# Altium PCB board.PcbDoc
Units mm, origin at the board's own origin, x right, y up, seen from the top; angles counter-clockwise.
Board outline 30 x 66 mm, 2 copper layers (Top Layer, Bottom Layer), stack 1.57 mm thick; 50 components, 21 nets, 196 pads, 51 vias.
Unrouted connection lines stored in the file: 2.
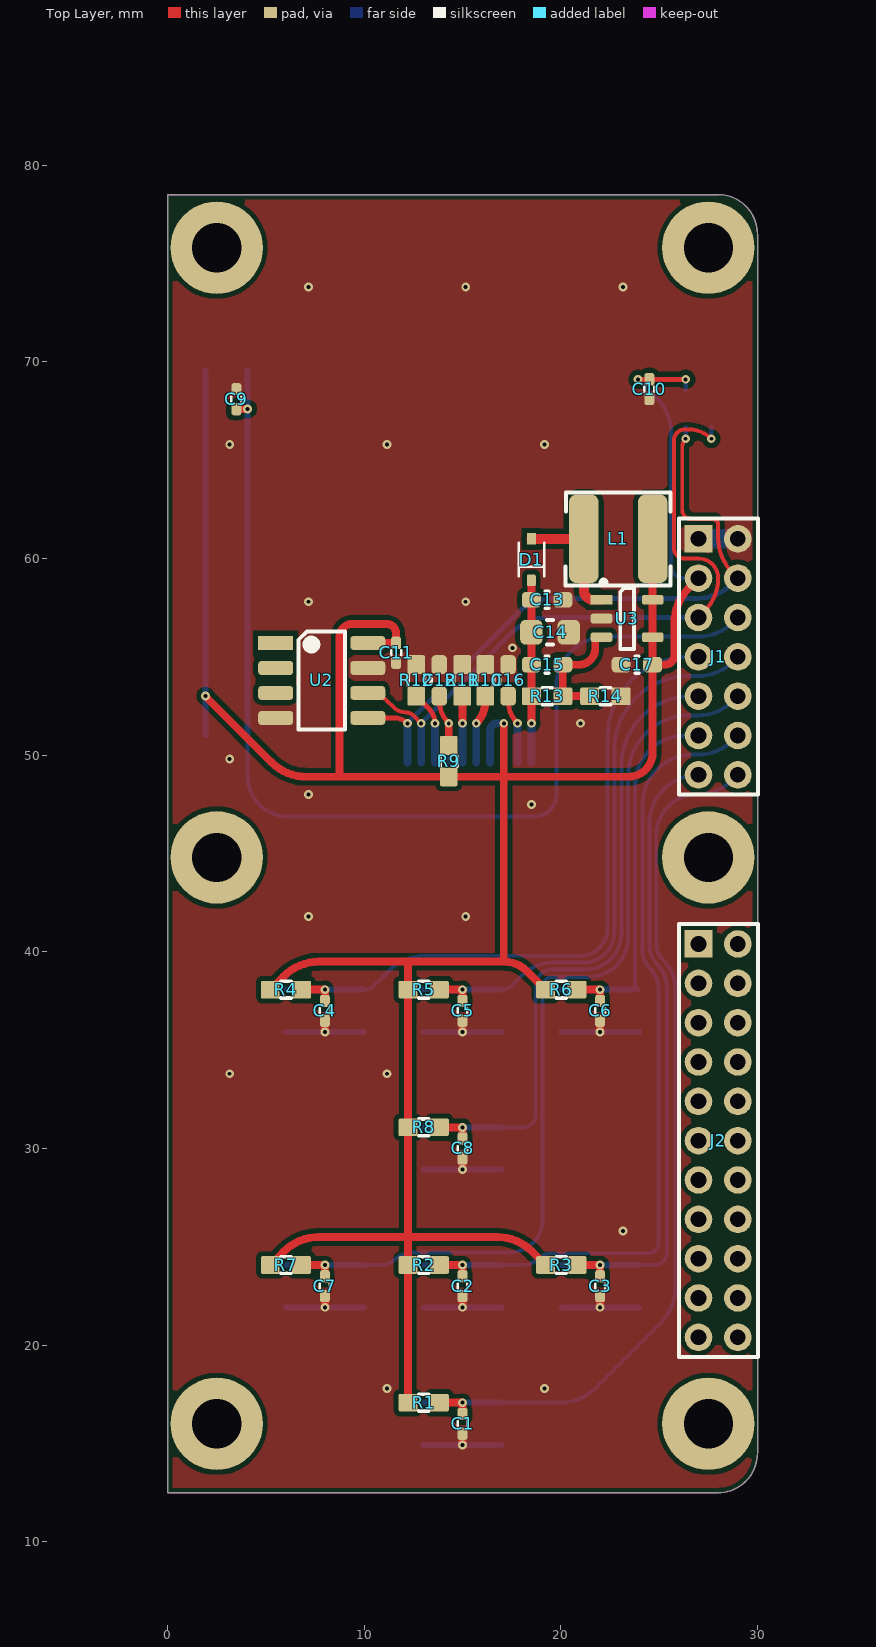
[diagram p0: Top Layer view]
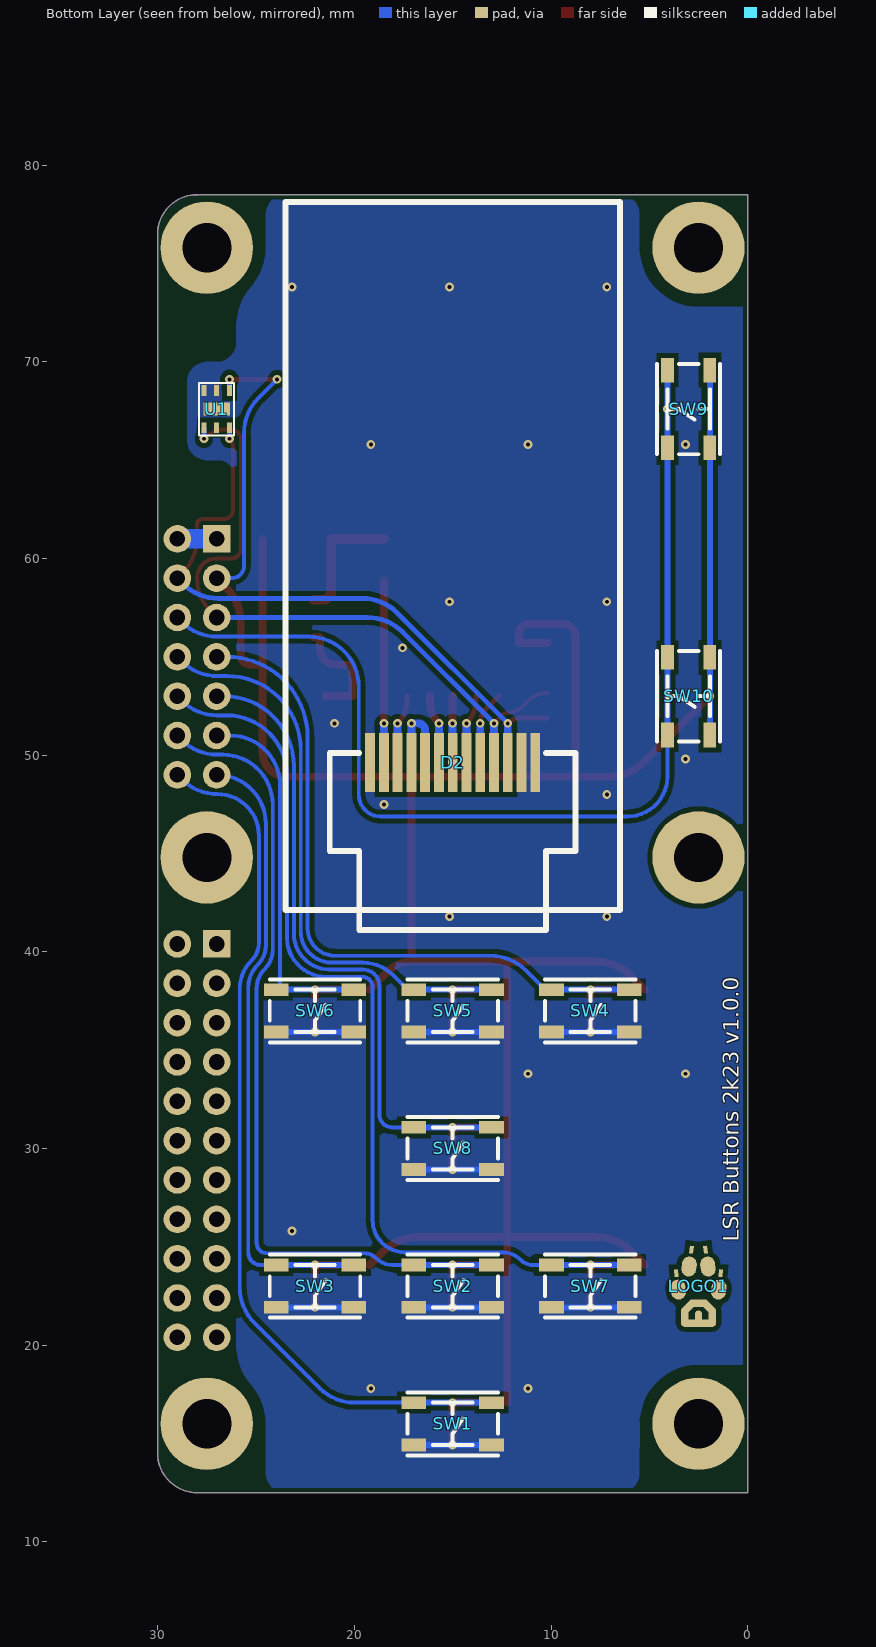
[diagram p1: Bottom Layer view, seen from below]
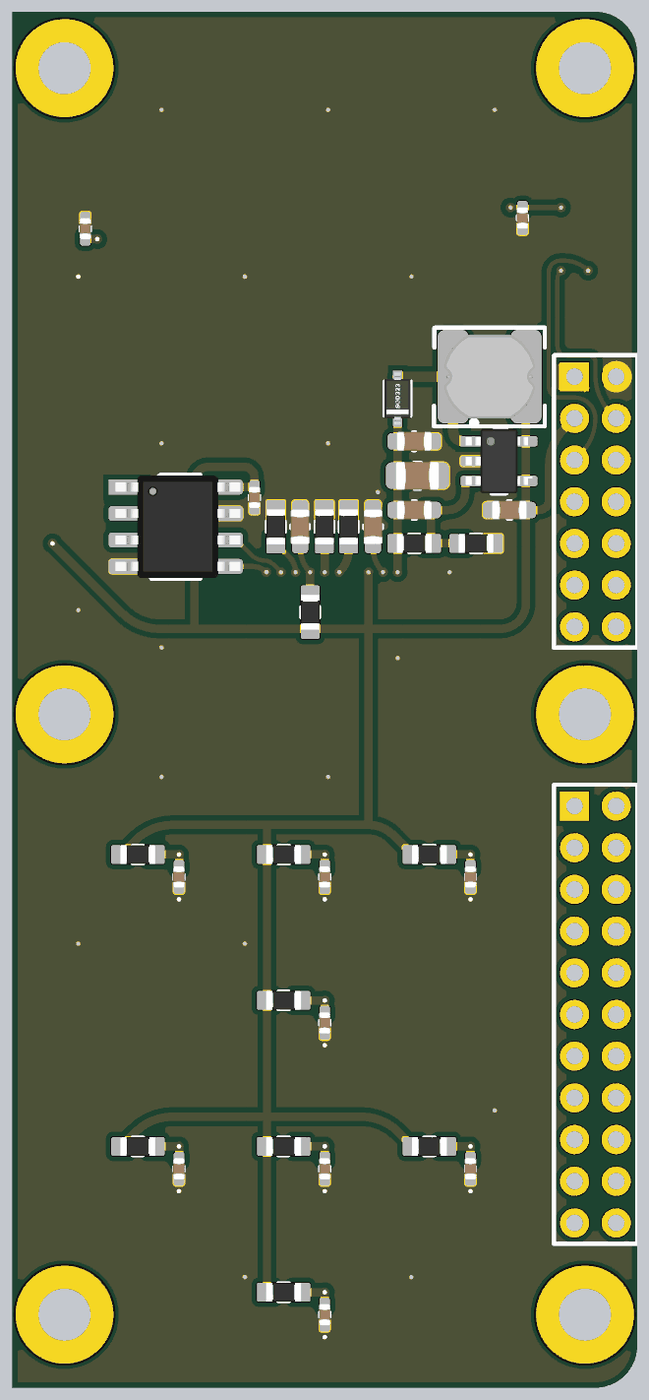
[diagram p2: 3D render of the assembled board from above, using the file's embedded part models]
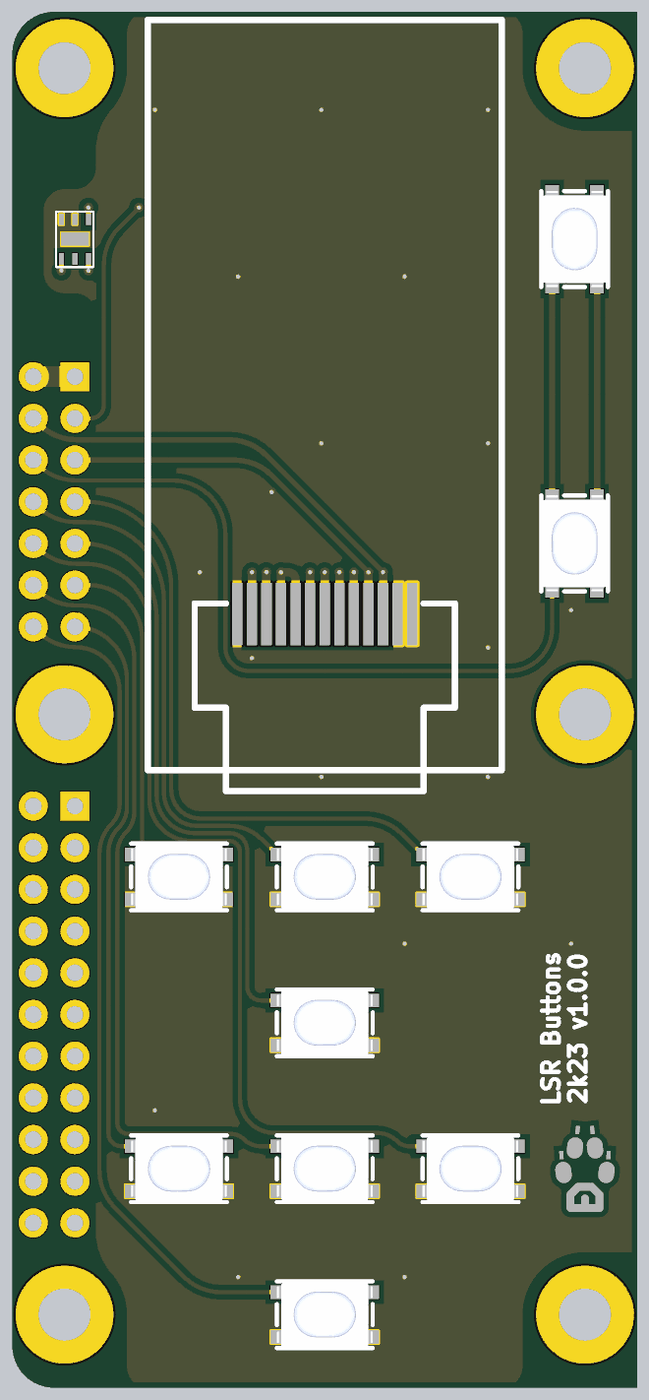
[diagram p3: 3D render of the assembled board from below, using the file's embedded part models]

## Layer stack, top to bottom
Top Solder: solder mask 0.0127, Solder Resist, Dk 3.8
Top Layer: signal copper 0.035
Dielectric: core 1.5, FR-4, Dk 4.5
Bottom Layer: signal copper 0.035
Bottom Solder: solder mask 0.0127, Solder Resist, Dk 3.8

## Board outline
0,12.5 28,12.5 ccw(c28,14.5) 30,14.5 30,76.5 ccw(c28,76.5) 28,78.5 0,78.5

## Design rules (kind name [scope] priority, off if disabled: settings)
AcuteAngle [All] p1: minimum=6.00000000000000E+0001 checktracksonly=FALSE
Clearance Clearance_1 [All] p1: gap=0.25 ignorepadtopadclearanceinfootprint=FALSE except(0.13: Arc-Arc Arc-Track Arc-SMDPad Arc-Via Track-Track Track-SMDPad Track-Via SMDPad-SMDPad SMDPad-Via THPad-Via Via-Via; 0.15: Arc-THPad Arc-Text Arc-Hole Track-THPad Track-Text Track-Hole SMDPad-THPad SMDPad-Text SMDPad-Hole THPad-THPad THPad-Text THPad-Hole Via-Text Via-Hole Fill-Text Fill-Hole Poly-Text Poly-Hole Region-Text Region-Hole Text-Text Text-Hole)
ComponentClearance ComponentClearance_1 [OnLayer('Mechanical 15') vs HasFootprint('CONN_FPC_31P-P0.50_0.5K-AS-31PWB') or HasFootprint('HDR-1X10_2.54')] p1: gap=-1 collisioncheckmode=3 verticalgap=2540 showdistances=FALSE
ComponentClearance ComponentClearance_2 [OnLayer('Mechanical 15')] p2: gap=0.001 collisioncheckmode=3 verticalgap=0.001 showdistances=FALSE
ComponentClearance [All] p3: gap=0.2 collisioncheckmode=3 verticalgap=0.2 showdistances=FALSE
Height [All] p1: minheight=0 maxheight=500 prefheight=12.7
HoleSize [All] p1: absolutevalues=TRUE maxlimit=6 minlimit=0.2 maxpercent=80.000 minpercent=20.000
HoleToHoleClearance HoleToHoleClearance_1 [IsVia vs IsThruPin] p1: gap=0.7 allowstackedmicrovias=TRUE
HoleToHoleClearance [All] p2: gap=0.5 allowstackedmicrovias=TRUE
MinimumSolderMaskSliver [All] p1 off: minsoldermaskwidth=0.254
PlaneClearance [All] p1: clearance=0.45
PlaneConnect [All] p1: planeconnectstyle=Direct reliefexpansion=0.3 reliefentries=4 reliefconductorwidth=0.381 reliefairgap=0.178
PolygonConnect [All] p1: connectstyle=Direct reliefconductorwidth=0.381 reliefentries=4 polygonreliefangle="90 Angle" airgapwidth=0.356
RoutingVias [All] p1: holewidth=0.3 width=0.6 viastyle="Through Hole" minholewidth=0.2 minwidth=0.45 maxholewidth=0.9 maxwidth=1.27
SilkToSilkClearance [All] p1 off: silktosilkclearance=0.254
SilkToSolderMaskClearance [IsPad] p1 off: minsilkscreentomaskgap=0.254 clearancetoexposedcopper=TRUE
SolderMaskExpansion [All] p1: expansion=0.102 istentingtop=FALSE
UnRoutedNet [All] p1: checkbadconnections=TRUE
Width [All] p1: maxlimit=3.81 minlimit=0.14 preferedwidth=0.254
20 further rules are at their usual default settings.

## Components (designator, comment, footprint, x,y, rotation, side; value= is the part's Value field where it differs from the comment)
C1 "100n" C0402 15,16 r90 top
C2 "100n" C0402 15,23 r90 top
C3 "100n" C0402 22,23 r90 top
C4 "100n" C0402 8,37 r90 top
C5 "100n" C0402 15,37 r90 top
C6 "100n" C0402 22,37 r90 top
C7 "100n" C0402 8,23 r90 top
C8 "100n" C0402 15,30 r90 top
C9 "100n" C0402 3.499,68.1 r270 top
C10 "100n" C0402 24.5,68.612 r90 top
C11 "100n" C0402 11.625,55.205 r90 top
C12 "1u" C0603 13.818,53.8 r270 top
C13 "100n" C0603 19.3,57.898 r0 top
C14 "4u7" C0805 19.452,56.25 r0 top
C15 "22p" C0603 19.3,54.6 r0 top
C16 "2u2" C0603 17.32,53.8 r90 top
C17 "100n" C0603 23.87,54.6 r180 top
D1 "" SOD-323 18.5,59.945 r90 top
D2 "ER-OLED-0.96-7" pico_oled_1.3 15,49.62 r270 bottom
J1 "" HDR-2X7-P2.00 28,55 r0 top
J2 "" HDR-2X11-P2.00 28,30.4 r0 top
L1 "10UH" IND_SDE0403A_4X4MM 22.92,61 r180 top
LOGO1 "LOGO" LOGO 2.5,21.121 r180 bottom
R1 "10k" R0603 13.025,17.076 r180 top
R2 "10k" R0603 13.025,24.076 r180 top
R3 "10k" R0603 20.025,24.076 r180 top
R4 "10k" R0603 6.025,38.076 r180 top
R5 "10k" R0603 13.025,38.076 r180 top
R6 "10k" R0603 20.025,38.076 r180 top
R7 "10k" R0603 6.025,24.076 r180 top
R8 "10k" R0603 13.025,31.076 r180 top
R9 "10k" R0603 14.3,49.7 r270 top
R10 "560k" R0603 16.153,53.8 r270 top
R11 "10k" R0603 14.985,53.8 r270 top
R12 "10k" R0603 12.65,53.8 r270 top
R13 "1M2" R0603 19.3,53 r180 top
R14 "180k" R0603 22.27,53 r180 top
SW1 "PTS810SJS250" BTN_PTS810 15,16 r180 bottom
SW2 "PTS810SJS250" BTN_PTS810 15,23 r180 bottom
SW3 "PTS810SJS250" BTN_PTS810 22,23 r180 bottom
SW4 "PTS810SJS250" BTN_PTS810 8,37 r180 bottom
SW5 "PTS810SJS250" BTN_PTS810 15,37 r180 bottom
SW6 "PTS810SJS250" BTN_PTS810 22,37 r180 bottom
SW7 "PTS810SJS250" BTN_PTS810 8,23 r180 bottom
SW8 "PTS810SJS250" BTN_PTS810 15,30 r180 bottom
SW9 "PTS810SJS250" BTN_PTS810 3,67.6 r270 bottom
SW10 "PTS810SJS250" BTN_PTS810 3,53 r270 bottom
U1 "OPT3001DNPR" USON6_L2.1-W2.1-P0.65-BL-EP 27,67.6 r0 bottom
U2 "FM24CL16" SOIC-8 7.842,53.8 r270 top
U3 "TPS61040" SOT-23-5 23.37,56.948 r180 top

## Footprints (in the part's own frame and the unit in brackets; to place one, negate y for a bottom-side part, rotate by r counter-clockwise, add the part's x,y. Pads: shape width x height; smd on the part's side, far side on the other; paste and mask are expansions set on the pad)
BTN_PTS810 [mm]
  rect 1.25x0.65 smd mask+0.05: 1(-1.975,1.075) 2(1.975,1.075) 3(-1.975,-1.075) 4(1.975,-1.075)
  silkscreen extent -2.3,-1.6 2.3,1.6, body extent -2.3,-1.6 2.3,1.6, height 2.5
C0402 [mm] "Chip Capacitor Body"
  rrect50% 0.635x0.508 smd mask+0.05: 1(-0.5,0) 2(0.5,0)
  silkscreen extent -0.13,-0.25 0.13,0.25, body extent -0.52,-0.27 0.53,0.28, height 0.55
C0603 [mil] "Chip Capacitor"
  rrect50% 38x31 smd mask+1.97: 1(-31.5,0) 2(31.5,0)
  silkscreen extent -3,-17 3,17, body extent -33,-18 33,18, height 35
C0805 [mil] "Chip Capacitor"
  rrect50% 45x50 smd mask+1.97: 1(-37.5,0) 2(37.5,0)
  silkscreen extent -6,-25 6,25, body extent -41,-27 41,27, height 53
HDR-2X7-P2.00 [mm]
  rect 1.4x1.4 hole 0.8 paste-2539.97 mask+0.051: 1(-1,6)
  round 1.4 hole 0.8 paste-2539.97 mask+0.051: 2(1,6) 3(-1,4) 4(1,4) 5(-1,2) 6(1,2) 7(-1,0) 8(1,0) 9(-1,-2) 10(1,-2) 11(-1,-4) 12(1,-4) 13(-1,-6) 14(1,-6)
  silkscreen extent -1.99,-7 2.02,7.03, body extent -2,-7 2,7, height 5.9
HDR-2X11-P2.00 [mm]
  rect 1.4x1.4 hole 0.8 paste-2539.97 mask+0.051: 1(-1,10)
  round 1.4 hole 0.8 paste-2539.97 mask+0.051: 2(1,10) 3(-1,8) 4(1,8) 5(-1,6) 6(1,6) 7(-1,4) 8(1,4) 9(-1,2) 10(1,2) 11(-1,0) 12(1,0) 13(-1,-2) 14(1,-2) 15(-1,-4) 16(1,-4) 17(-1,-6) 18(1,-6) 19(-1,-8) 20(1,-8) 21(-1,-10) 22(1,-10)
  silkscreen extent -1.99,-11 2.02,11.03, body extent -2,-11 2,11, height 5.9
IND_SDE0403A_4X4MM [mm] "Inductor, 2-Leads, Body 7,0x7,4mm, IPC High Density"
  rrect50% 1.5x4.5 smd mask+0.05: 1(-1.75,0) 2(1.75,0)
  silkscreen extent -2.65,-2.35 2.68,2.37, body extent -2.18,-2 2.18,2, height 3.2
LOGO [mil]
  rect 15.75x7.87 smd rot 93 mask+4: ""(-44.55,100)
  oval 30x40 smd rot 8 mask+4: ""(-40.55,67)
  oval 15x39.5 smd mask+4: ""(-27.5,12.5) ""(27.5,12.5)
  oval 15x36.21 smd rot 135 mask+4: ""(-20,32.5)
  oval 30x40 smd rot 173 mask+4: ""(-18.99,113.27)
  rect 15.75x7.87 smd rot 83 mask+4: ""(-13.91,147.15)
  oval 70x15 smd mask+4: ""(0,0)
  oval 15x32.5 smd mask+4: ""(0,9)
  oval 39.5x15 smd mask+4: ""(0,40)
  rect 15.75x7.87 smd rot 97 mask+4: ""(13.91,147.15)
  oval 30x40 smd rot 7 mask+4: ""(18.99,113.27)
  oval 15x36.21 smd rot 45 mask+4: ""(20,32.5)
  oval 30x40 smd rot 172 mask+4: ""(40.55,67)
  rect 15.75x7.87 smd rot 87 mask+4: ""(44.55,100)
pico_oled_1.3 [mm]
  rect 3x0.5 smd: 1(0,-4.2) 2(0,-3.5) 3(0,-2.8) 4(0,-2.1) 5(0,-1.4) 6(0,-0.7) 7(0,0) 8(0,0.7) 9(0,1.4) 10(0,2.1) 11(0,2.8) 12(0,3.5) 13(0,4.2)
  silkscreen extent -28.5,-8.5 8.5,8.5, body extent -28.5,-8.5 8.5,8.5, height 2
R0603 [mil] "Chip Resistor; Body 1.6 x 0.8 mm (LxW typ)"
  rrect20% 38x35.43 smd mask+1.97: 1(-31.5,0) 2(31.5,0)
  silkscreen extent -10,-17 10,17, body extent -33,-18 33,18, height 22
SOD-323 [mm]
  rect 0.59x0.45 smd mask+0.05: 1(1.055,0)
  rrect30% 0.59x0.45 smd mask+0.05: 2(-1.055,0)
  silkscreen extent -0.85,-0.65 0.85,0.65, body extent -1.25,-0.63 1.25,0.62, height 0.99
SOIC-8 [mm]
  rect 0.72x1.78 smd mask+0.025: 1(-1.905,-2.34)
  rrect50% 0.72x1.78 smd mask+0.025: 2(-0.635,-2.34) 3(0.635,-2.34) 4(1.905,-2.34) 5(1.905,2.34) 6(0.635,2.34) 7(-0.635,2.34) 8(-1.905,2.34)
  silkscreen extent -2.49,-1.17 2.49,1.17, body extent -2.45,-2.9 2.45,3.1, height 1.7
SOT-23-5 [mm]
  rect 1.1x0.5 smd mask+0.05: 1(1.3,-0.95)
  rrect50% 1.1x0.5 smd mask+0.05: 2(1.3,0) 3(1.3,0.95) 4(-1.3,0.95) 5(-1.3,-0.95)
  silkscreen extent -0.35,-1.95 1.32,1.55, body extent -1.6,-1.55 1.6,1.55, height 1.45
USON6_L2.1-W2.1-P0.65-BL-EP [mm]
  rect 0.25x0.55 smd paste+0 mask+0.051: 1(-0.65,-0.95) 2(0,-0.95) 3(0.65,-0.95) 4(0.65,0.95) 5(0,0.95) 6(-0.65,0.95)
  rect 1.35x0.65 smd paste+0 mask+0.051: 7(0,0)
  silkscreen extent -0.89,-1.31 0.91,1.34, body extent -1,-1 1,1, height 0.65

## Part data
C1 C2 C3 C4 C5 C6 C7 C8 C9 C10 C11 C12: library part Cap
C13 C14 C15 C16 C17: library part CAP
D1: library part US1M-13-F
D2: library part Component_1
J1: library part "HDR 2X7"
J2: library part "HDR 2X11"
L1: library part SRN3015-100M, "10uH 1A 2520"
R1 R2 R3 R4 R5 R6 R7 R8 R10 R13 R14: library part RES
R9 R11 R12: library part RES_0402_1K5-1%, "10k 0603"
SW1 SW2 SW3 SW4 SW5 SW6 SW7 SW8 SW9 SW10: library part Component_1, LCSC part number=C221896, P/N=PTS810SJK250SMTRLFS
U1: LCSC part number=C90462, P/N=OPT3001DNPR
U2: library part MB85RC16
U3: library part LM27313XMFX

## Free pads (board coordinates)
  round 4.7 hole 2.5: M(2.5,16) M(2.5,44.8) M(2.5,75.8) M(27.5,16) M(27.5,44.8) M(27.5,75.8)

## Via types
v1: diameter 0.45, hole 0.2, Top Layer to Bottom Layer, tented both sides, 51 vias

## Nets (pads, with @x,y where several pads share a name; then routed paths per layer and width w, separated by ;. In a path a pad name is that pad's centre, name@x,y a point inside that pad or via, vN(x,y) a via of type N, cw(c..) or ccw(c..) an arc to the next point about the centre after c; other vN are vias at no path point)
3V3: C10.2 C11.2 C17.1 D2.4 D2.5 J1.3 L1.1 R1.2 R2.2 R3.2 R4.2 R5.2 R6.2 R7.2 R8.2 R9.2 SW9.1 SW9.2 SW10.1 SW10.2 U1.1 U2.8 U3.4 U3.5 | length 156.6
  Top Layer w0.25: v1(23.925,69.112) C10.2 v1(26.35,69.112)
  Top Layer w0.4: v1(1.924,53) 5.281,49.644 ccw(c7.077,51.44) 7.077,48.9 8.75,48.9 ; R7.2 5.905,24.756 cw(c7.701,22.96) 7.701,25.5 16.748,25.5 cw(c16.748,22.96) 18.544,24.756 R3.2 ; R4.2 5.905,38.756 cw(c7.701,36.96) 7.701,39.5 12.225,39.5 ; U2.8 C11.2 11.625,56.19 ccw(c11.14,56.19) 11.14,56.675 9.4,56.675 ccw(c9.4,56.025) 8.75,56.025 8.75,48.9 ; R1.2 R2.2 R8.2 R5.2 12.225,39.5 ; v1(17.1,51.62) 17.1,48.9 ; R6.2 18.296,39.005 ccw(c17.1,37.809) 17.1,39.5 ; L1.1 U3.5 U3.4 C17.1 ; J1.3 26.519,58.519 ccw(c28.315,56.723) 25.775,56.723 25.775,55.1 cw(c25.275,55.1) 25.275,54.6 C17.1 ; 8.75,48.9 R9.2 17.1,48.9 ; 12.225,39.5 17.1,39.5 ; 17.1,39.5 17.1,48.9 ; 17.1,48.9 23.425,48.9 ccw(c23.425,50.145) 24.67,50.145 C17.1
  Bottom Layer w0.2: v1(23.925,69.112) 24.867,68.17 cw(c23.071,66.374) 25.611,66.374 25.611,59.622 ccw(c26.233,59.622) 26.233,59 J1.3
  Bottom Layer w0.25: U1.1@26.35,68.537 U1.1 v1(26.35,69.112)
  Bottom Layer w0.3: SW10.2 SW10.1 SW9.2 SW9.1
  Bottom Layer w0.4: D2.5 16.4,51.25 cw(c16.77,51.25) 16.77,51.62 v1(17.1,51.62) D2.4
BTN0: C1.2 J1.14 R1.1 SW1.1 SW1.2 | length 46.3
  Top Layer w0.4: R1.1 v1(15,17.076) C1.2
  Bottom Layer w0.2: SW1.1 19.973,17.075 ccw(c19.973,19.615) 21.769,17.819 25.081,21.131 ccw(c23.285,22.927) 25.825,22.927 25.825,38.128 ccw(c23.815,38.128) 25.236,39.549 cw(c26.169,40.482) 24.85,40.482 24.85,45.902 cw(c26.971,45.902) 26.971,48.024 ccw(c26.971,50.564) 28.767,48.767 J1.14
  Bottom Layer w0.3: SW1.2 SW1.1
BTN1: C2.2 J1.12 R2.1 SW2.1 SW2.2 | length 43.3
  Top Layer w0.4: R2.1 v1(15,24.076) C2.2
  Bottom Layer w0.2: SW2.1 18.062,24.075 ccw(c18.062,25.239) 18.885,24.416 cw(c19.51,23.79) 19.51,24.675 24.45,24.675 ccw(c24.45,25.191) 24.966,25.191 24.966,38.132 ccw(c23.55,38.132) 24.551,39.134 cw(c25.52,40.103) 24.15,40.103 24.15,47.484 cw(c26.69,47.484) 26.69,50.024 26.971,50.024 ccw(c26.971,52.564) 28.767,50.767 J1.12
  Bottom Layer w0.3: SW2.2 SW2.1
BTN2: C3.2 J1.13 R3.1 SW3.1 SW3.2 | length 33.4
  Top Layer w0.4: R3.1 v1(22,24.076) C3.2
  Bottom Layer w0.2: SW3.1 24.759,24.075 ccw(c24.759,24.712) 25.396,24.712 25.396,38.166 ccw(c23.708,38.166) 24.901,39.359 cw(c25.87,40.328) 24.5,40.328 24.5,46.5 cw(c27,46.5) J1.13
  Bottom Layer w0.3: SW3.2 SW3.1
BTN3: C4.2 J1.7 R4.1 SW4.1 SW4.2 | length 36.1
  Top Layer w0.4: R4.1 v1(8,38.076) C4.2
  Bottom Layer w0.2: SW4.1 ccw(c9.975,38.86) 10.53,38.305 11.281,39.056 cw(c13.077,37.26) 13.077,39.8 20.981,39.8 ccw(c20.981,41.194) 22.375,41.194 22.375,50.907 cw(c26.468,50.907) 26.468,55 J1.7
  Bottom Layer w0.3: SW4.2 SW4.1
BTN4: C5.2 J1.8 R5.1 SW5.1 SW5.2 | length 30.7
  Top Layer w0.4: R5.1 v1(15,38.076) C5.2
  Bottom Layer w0.2: SW5.1 ccw(c16.975,38.86) 17.53,38.305 18.039,38.814 cw(c19.575,37.277) 19.575,39.45 21.139,39.45 ccw(c21.139,41.036) 22.725,41.036 22.725,50.271 cw(c26.478,50.271) 26.478,54.023 26.971,54.023 ccw(c26.971,56.563) 28.767,54.767 J1.8
  Bottom Layer w0.3: SW5.2 SW5.1
BTN5: C6.2 J1.11 R6.1 SW6.1 SW6.2 | length 20.8
  Top Layer w0.4: R6.1 v1(22,38.076) C6.2
  Bottom Layer w0.2: SW6.1 23.775,38.075 23.775,48.46 cw(c26.315,48.46) 26.315,51 J1.11
  Bottom Layer w0.3: SW6.2 SW6.1@23.775,38.075
BTN6: C7.2 J1.10 R7.1 SW7.1 SW7.2 | length 49.4
  Top Layer w0.4: R7.1 v1(8,24.076) C7.2
  Bottom Layer w0.2: SW7.1 10.921,24.075 ccw(c10.921,24.929) 11.525,24.325 cw(c12.481,23.369) 12.481,24.721 17.423,24.721 ccw(c17.423,26.373) 19.075,26.373 19.075,38.225 cw(c19.575,38.225) 19.575,38.725 21.423,38.725 ccw(c21.423,40.727) 23.425,40.727 23.425,48.946 cw(c26.503,48.946) 26.503,52.023 26.971,52.023 ccw(c26.971,54.563) 28.767,52.767 J1.10
  Bottom Layer w0.3: SW7.2 SW7.1
BTN7: C8.2 J1.9 R8.1 SW8.1 SW8.2 | length 34.7
  Top Layer w0.4: R8.1 v1(15,31.076) C8.2
  Bottom Layer w0.2: SW8.1 18.075,31.075 ccw(c18.075,31.725) 18.725,31.725 18.725,38.275 cw(c19.55,38.275) 19.55,39.1 21.255,39.1 ccw(c21.255,40.92) 23.075,40.92 23.075,49.454 cw(c26.621,49.454) 26.621,53 J1.9
  Bottom Layer w0.3: SW8.2 SW8.1
EMCY_BTN: C9.2 J1.6 SW9.3 SW9.4 SW10.3 SW10.4 | length 55.2
  Top Layer w0.4: C9.2 v1(4.074,67.6)
  Bottom Layer w0.2: SW10.4 4.075,48.932 ccw(c6.127,48.932) 6.127,46.88 18.655,46.88 ccw(c18.655,48) 19.775,48 19.775,53.483 cw(c22.315,53.483) 22.315,56.023 26.971,56.023 ccw(c26.971,58.563) 28.767,56.767 J1.6
  Bottom Layer w0.3: SW10.4 SW10.3 SW9.4 SW9.3
GND: C1.1 C2.1 C3.1 C4.1 C5.1 C6.1 C7.1 C8.1 C9.1 C10.1 C11.1 C12.1 C13.2 C14.2 C16.2 C17.2 D2.1 D2.12 D2.13 J1.1 J1.2 R10.1 R11.1 R12.1 R14.1 SW1.3 SW1.4 SW2.3 SW2.4 SW3.3 SW3.4 SW4.3 SW4.4 SW5.3 SW5.4 SW6.3 SW6.4 SW7.3 SW7.4 SW8.3 SW8.4 U1.2 U1.3 U1.7 U2.4 U2.7 U3.2 | length 38.2
  Top Layer w0.4: v1(8,21.926) C7.1 ; v1(8,35.926) C4.1@8,36.501 ; v1(15,14.926) C1.1 ; v1(15,21.926) C2.1 ; v1(15,28.926) C8.1@15,29.501 ; v1(15,35.926) C5.1@15,36.501 ; v1(22,21.926) C3.1 ; v1(22,35.926) C6.1@22,36.501
  Bottom Layer w0.3: SW7.4 SW7.3 ; SW4.4 SW4.3 ; SW1.4 SW1.3 ; SW2.4 SW2.3 ; SW8.4 SW8.3 ; SW5.4 SW5.3 ; SW3.4 SW3.3 ; SW6.4 SW6.3
  Bottom Layer w1: J1.1 J1.2
  other v1: 11.162,17.801 19.162,17.801 23.162,25.801 3.162,33.801 11.162,33.801 7.162,41.801 15.162,41.801 18.5,47.5 7.162,48 3.162,49.801 21,51.62 17.551,55.46 7.162,57.801 15.162,57.801 3.162,65.801 11.162,65.801 19.162,65.801 7.162,73.801 15.162,73.801 23.162,73.801
NetC12_2: C12.2 D2.8 R9.1 | length 4.6
  Top Layer w0.25: C12.2 13.818,52.785 ccw(c15.465,52.785) v1(14.3,51.62)
  Top Layer w0.4: R9.1 v1(14.3,51.62)
  Bottom Layer w0.4: D2.8 v1(14.3,51.62)
NetC15_2: C15.2 R13.1 R14.2 U3.3 | length 6
  Top Layer w0.4: R14.2 R13.1 C15.2 20.925,54.6 ccw(c20.925,55.425) 21.75,55.425 21.75,55.998 U3.3
NetC16_1: C16.1 D2.3 | length 3.5
  Top Layer w0.25: C16.1 17.32,52.779 ccw(c18.959,52.779) v1(17.8,51.62)
  Bottom Layer w0.4: D2.3 v1(17.8,51.62)
NetD1_1: D1.1 L1.2 U3.1 | length 6.5
  Top Layer w0.5: D1.1 L1.2 21.17,58.373 ccw(c21.645,58.373) 21.645,57.898 U3.1
NetD2_6: D2.6 R10.2 | length 3.5
  Top Layer w0.4: v1(15.7,51.62) ccw(c14.607,52.713) 16.153,52.713 R10.2
  Bottom Layer w0.4: D2.6 v1(15.7,51.62)
NetD2_7: D2.7 R11.2 | length 3.4
  Top Layer w0.4: R11.2 cw(c14.949,52.964) 15,52.964 v1(15,51.62)
  Bottom Layer w0.4: D2.7 v1(15,51.62)
NetD2_9: D2.9 R12.2 | length 3.7
  Top Layer w0.25: R12.2 13.296,52.354 cw(c12.562,51.62) v1(13.6,51.62)
  Bottom Layer w0.4: D2.9 v1(13.6,51.62)
SCL: D2.10 J1.5 U1.4 U2.6 | length 35.3
  Top Layer w0.2: U2.6 cw(c10.182,51.771) 11.168,52.757 11.485,52.44 ccw(c12.125,53.08) 12.125,52.175 cw(c12.125,51.644) 12.501,52.019 v1(12.9,51.62) ; J1.5 27.293,57.293 ccw(c25.586,59) 28,59 ccw(c27,59) 27,60 26.283,60 cw(c26.283,60.525) 25.758,60.525 25.758,66.009 cw(c26.317,66.009) 26.317,66.568 26.49,66.568 cw(c26.49,64.928) v1(27.65,66.088)
  Bottom Layer w0.25: v1(12.9,51.62) 17.536,56.256 cw(c19.332,54.46) 19.332,57 J1.5 ; v1(27.65,66.088) U1.4 U1.4@27.65,66.663
  Bottom Layer w0.4: D2.10 v1(12.9,51.62)
SDA: D2.11 J1.4 U1.6 U2.5 | length 33.3
  Top Layer w0.2: v1(26.35,66.088) ccw(c26.775,65.663) 26.174,65.663 26.174,62.473 ccw(c26.647,62.473) 26.647,62 27.726,62 cw(c27.726,61.726) 28,61.726 28,61.052 ccw(c30.54,61.052) 28.744,59.256 J1.4
  Top Layer w0.25: U2.5 11.536,51.895 cw(c11.536,50.956) v1(12.2,51.62)
  Bottom Layer w0.25: v1(12.2,51.62) 17.811,57.231 cw(c19.607,55.435) 19.607,57.975 26.923,57.975 ccw(c26.923,60.515) 28.719,58.719 J1.4 ; v1(26.35,66.088) U1.6 U1.6@26.35,66.663
  Bottom Layer w0.4: D2.11 v1(12.2,51.62)
VPP_OLED: C13.1 C14.1 C15.1 D1.2 D2.2 R13.2 | length 9.3
  Top Layer w0.4: v1(18.5,51.62) C15.1 C14.1 C13.1 D1.2
  Bottom Layer w0.4: D2.2 v1(18.5,51.62)
pads on no net: J2.1 J2.2 J2.3 J2.4 J2.5 J2.6 J2.7 J2.8 J2.9 J2.10 J2.11 J2.12 J2.13 J2.14 J2.15 J2.16 J2.17 J2.18 J2.19 J2.20 J2.21 J2.22 LOGO1. U1.5 U2.1 U2.2 U2.3

## Polygon pours and split planes (outlines as drawn)
GND on Top Layer "NONET_L02_P-001" (solid, remove dead copper, pour order 5): 0,78.5 0,12.5 30,12.5 30,78.5
GND on Bottom Layer "NONET_L02_P-001" (solid, remove dead copper, pour order 6): 0,78.5 0,12.5 30,12.5 30,78.5

## Keep-outs
Keep-Out Layer:
  the board outline again, w0

## Other copper
Bottom Layer:
  pour cut-out: 26,71.832 26,71 ccw(c27,71) 27,70 27.5,70 cw(c27.5,69) 28.5,69 28.5,66 cw(c27.5,66) 27.5,65 26.997,65 ccw(c26.997,64.003) 26,64.003 26,48.768 cw(c23,48.768) 25.226,46.757 ccw(c27.5,44.8) 25.226,42.843 cw(c23,40.832) 26,40.832 26,19.968 cw(c23,19.968) 25.226,17.957 ccw(c27.5,16) 24.5,16 24.5,13.5 cw(c23.5,13.5) 23.5,12.5 6.5,12.5 cw(c6.5,13.5) 5.5,13.5 5.5,16 ccw(c2.5,16) 2.5,19 -4.5,19 -4.5,7.5 34,7.5 34,85.5 -4.5,85.5 -4.5,72.8 2.5,72.8 ccw(c2.5,75.8) 5.5,75.8 5.5,76.3 5.5,77.5 cw(c6.5,77.5) 6.5,78.5 23.5,78.5 cw(c23.5,77.5) 24.5,77.5 24.5,75.8 ccw(c27.5,75.8) 25.226,73.843 cw(c23,71.832)

## Silkscreen, mask and mechanical layers (free items; w line width, h text height)
Bottom Overlay:
  text "LSR Buttons 2k23 v1.0.0" at 0.46,25.262 h0.8 r270
Mechanical 13:
  lines w0: -4.5,19 2.5,19 cw(c2.5,16) 5.5,16 5.5,13.5 ccw(c6.5,13.5) 6.5,12.5 23.5,12.5 ccw(c23.5,13.5) 24.5,13.5 24.5,16 cw(c27.5,16) 25.226,17.957 ccw(c23,19.968) 26,19.968 26,40.832 ccw(c23,40.832) 25.226,42.843 cw(c27.5,44.8) 25.226,46.757 ccw(c23,48.768) 26,48.768 26,71.832 ccw(c23,71.832) 25.226,73.843 cw(c27.5,75.8) 24.5,75.8 24.5,77.5 ccw(c23.5,77.5) 23.5,78.5 6.5,78.5 ccw(c6.5,77.5) 5.5,77.5 5.5,76.3 5.5,75.8 cw(c2.5,75.8) 2.5,72.8 -4,72.8
  lines w0.001: -4.5,19 -4.5,7.5 34,7.5 34,85.5 -4.5,85.5 -4.5,72.8 -4,72.8